# Altium PCB Stand.PcbDoc (part 1 of 3) (continued)
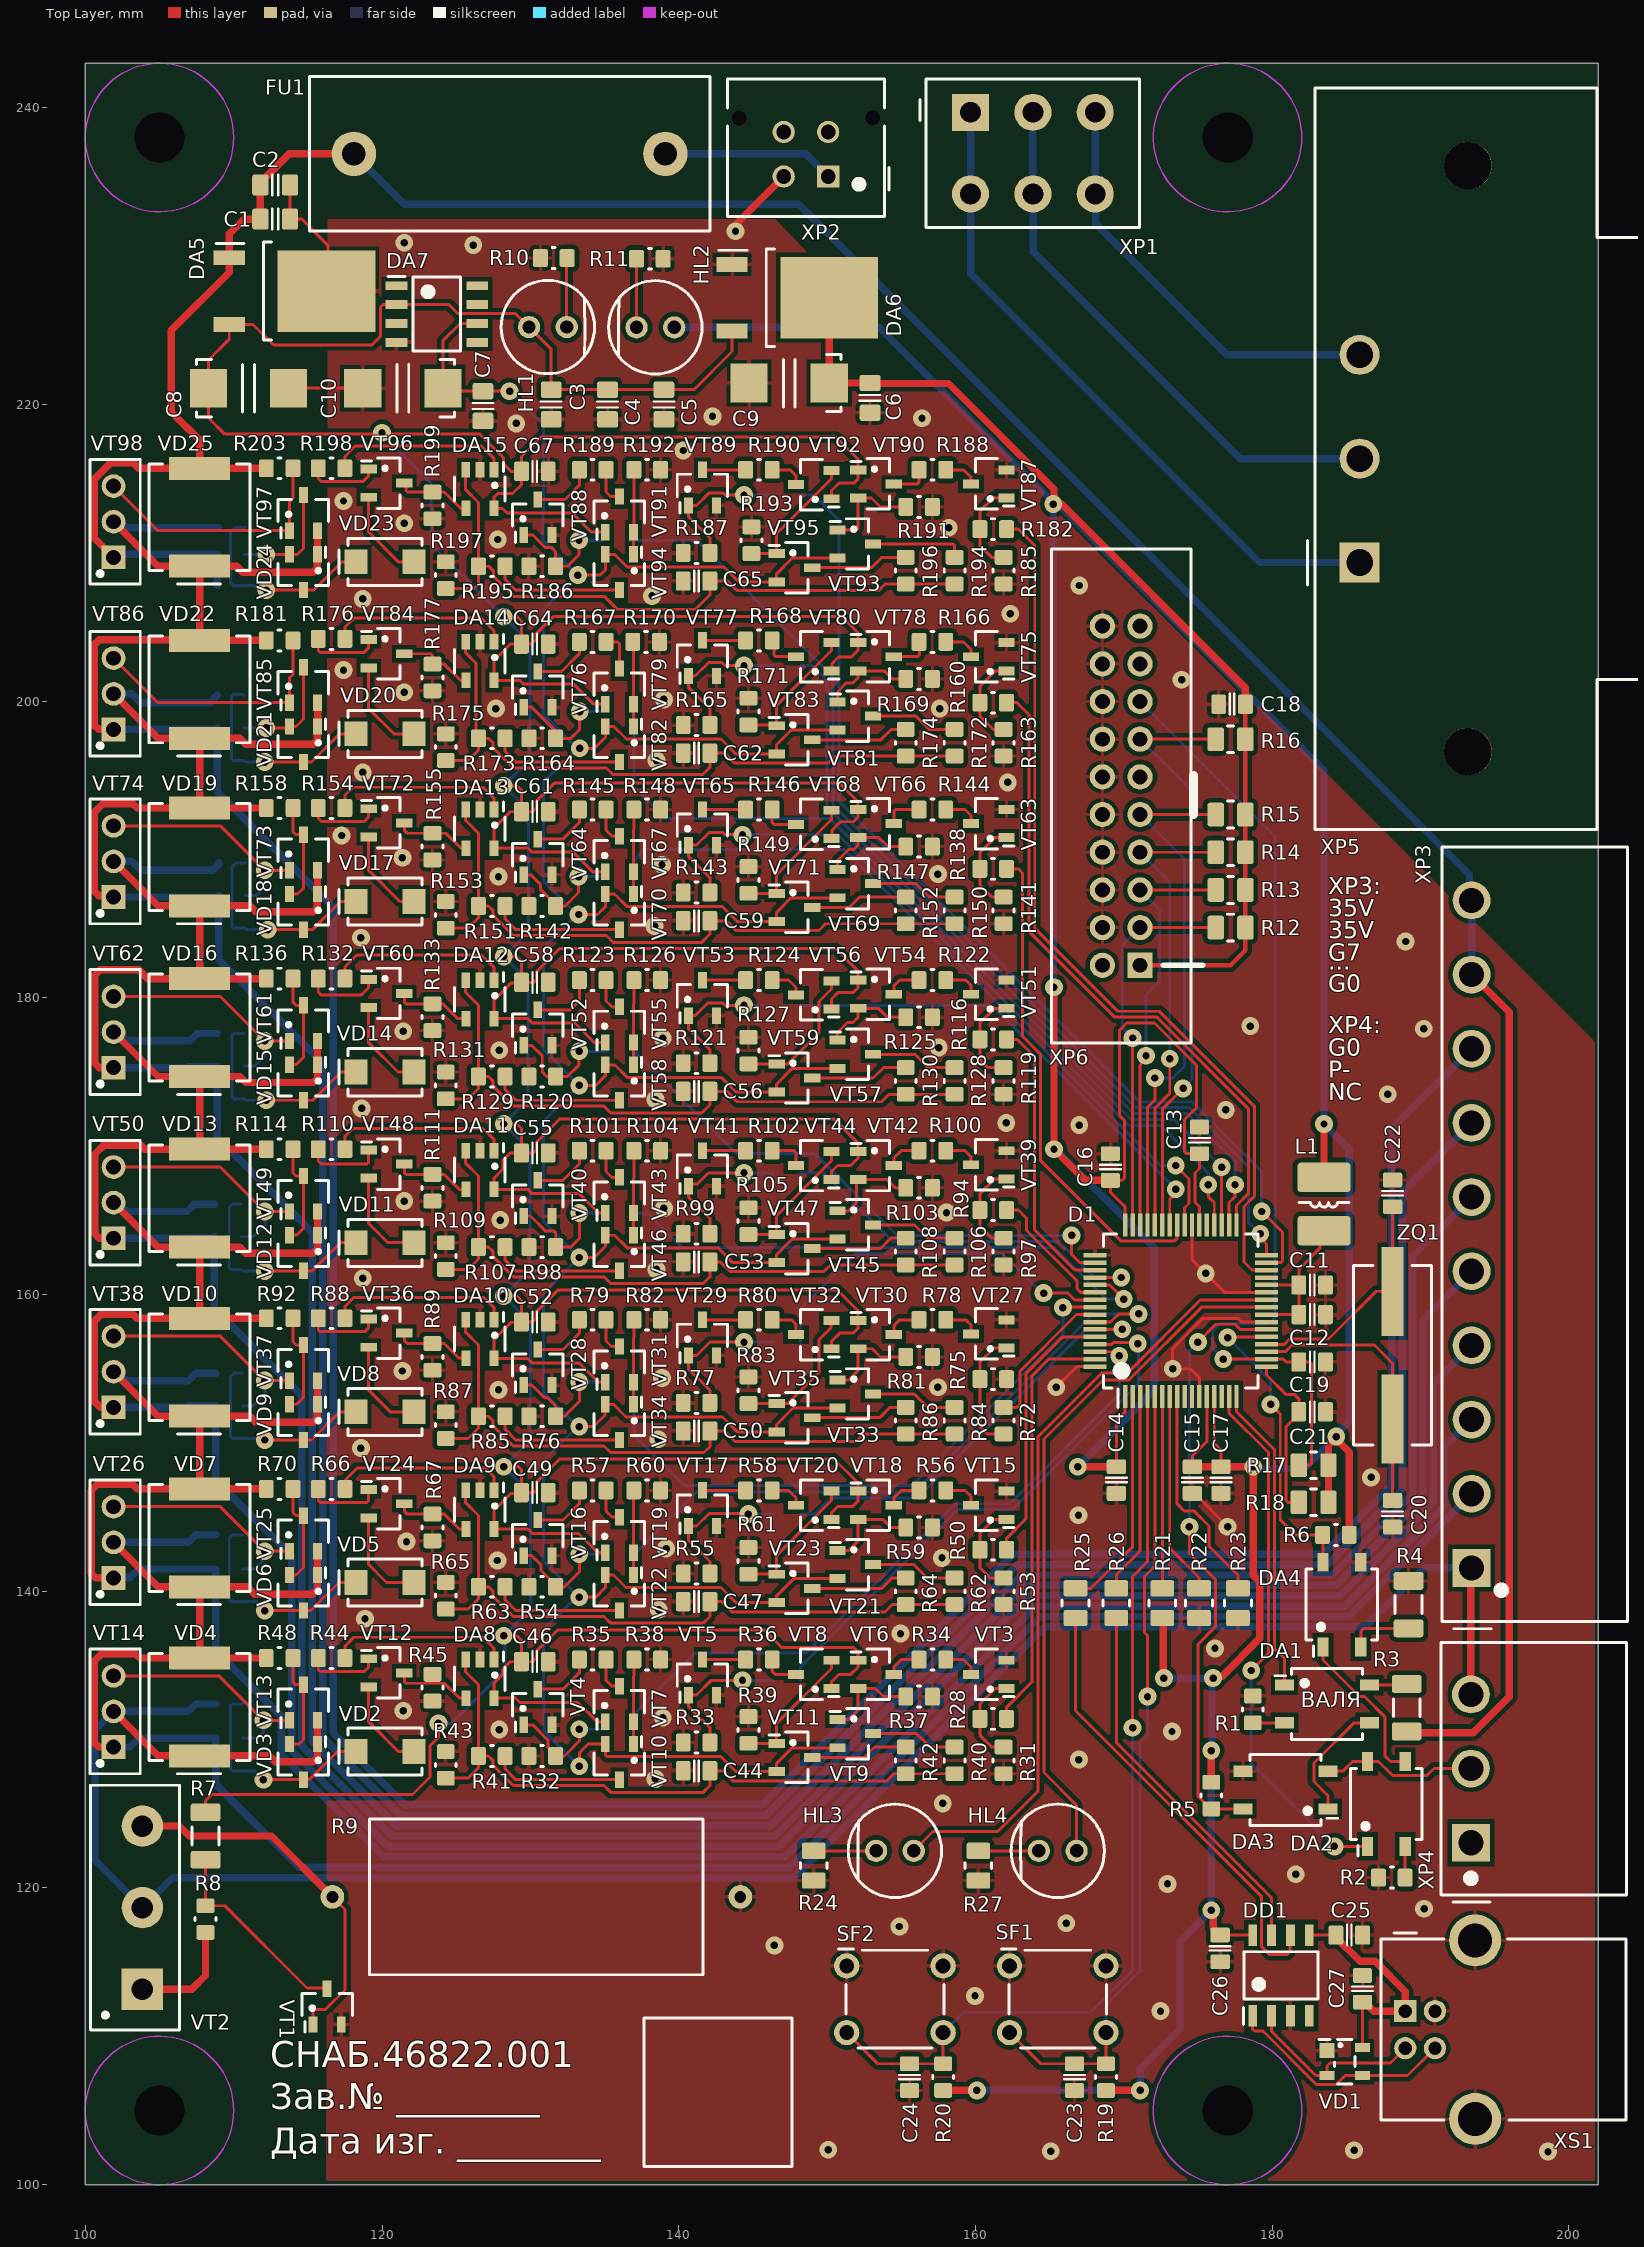
[diagram p0: Top Layer view]
## Components (designator, comment, footprint, x,y, rotation, side; value= is the part's Value field where it differs from the comment) (continued)
R42 "*" R0603 155.3,128.6 r270 top
R43 "1k" R0603 124.3,128.3 r270 top
R44 "100" R0603 116.6,135.5 r180 top
R45 "1k" R0603 123.4,133.5 r90 top
R46 "1k" R0603 109.7,127.9 r180 bottom
R47 "1k" R0603 109.7,132.4 r0 bottom
R48 "*" R0603 113.1,135.5 r180 top
R49 "*" R0603 109.7,130.1 r180 bottom
R50 "*" R0603 161.2,142.8 r180 top
R51 "*" R0603 136.1,142.5 r180 bottom
R52 "*" R0603 147.3,145.2 r180 bottom
R53 "*" R0603 161.9,140 r90 top
R54 "*" R0603 130.8,140.3 r0 top
R55 "*" R0603 141.2,141.2 r0 top
R56 "*" R0603 157.1,146.8 r180 top
R57 "*" R0603 134.2,146.8 r0 top
R58 "*" R0603 145.4,146.8 r0 top
R59 "*" R0603 156.2,144.3 r180 top
R60 "*" R0603 137.875,146.8 r180 top
R61 "*" R0603 144.7,142.05 r270 top
R62 "*" R0603 158.6,140 r270 top
R63 "*" R0603 127.4,140.3 r180 top
R64 "*" R0603 155.3,140 r270 top
R65 "1k" R0603 124.3,139.7 r270 top
R66 "100" R0603 116.6,146.9 r180 top
R67 "1k" R0603 123.4,144.3 r90 top
R68 "1k" R0603 109.7,139.3 r180 bottom
R69 "1k" R0603 109.7,143.8 r0 bottom
R70 "*" R0603 113.1,146.9 r180 top
R71 "*" R0603 109.7,141.5 r180 bottom
R72 "*" R0603 161.9,151.5 r270 top
R73 "*" R0603 136.1,154.1 r180 bottom
R74 "*" R0603 147.3,156.8 r180 bottom
R75 "*" R0603 161.2,154.3 r180 top
R76 "*" R0603 130.8,151.8 r0 top
R77 "*" R0603 141.2,152.7 r0 top
R78 "*" R0603 157.1,158.3 r180 top
R79 "*" R0603 134.2,158.3 r0 top
R80 "*" R0603 145.4,158.3 r0 top
R81 "*" R0603 156.2,155.8 r180 top
R82 "*" R0603 137.875,158.3 r180 top
R83 "*" R0603 144.7,153.55 r270 top
R84 "*" R0603 158.6,151.5 r270 top
R85 "*" R0603 127.4,151.8 r180 top
R86 "*" R0603 155.3,151.5 r270 top
R87 "1k" R0603 124.3,151.2 r270 top
R88 "100" R0603 116.6,158.4 r180 top
R89 "1k" R0603 123.4,155.8 r90 top
R90 "1k" R0603 109.7,150.3 r180 bottom
R91 "1k" R0603 109.7,154.7 r0 bottom
R92 "*" R0603 113.1,158.4 r180 top
R93 "*" R0603 109.7,152.5 r180 bottom
R94 "*" R0603 161.2,165.7 r180 top
R95 "*" R0603 136.1,165.5 r180 bottom
R96 "*" R0603 147.3,168.2 r180 bottom
R97 "*" R0603 161.9,162.9 r90 top
R98 "*" R0603 130.8,163.2 r0 top
R99 "*" R0603 141.2,164.1 r0 top
R100 "*" R0603 157.1,169.7 r180 top
R101 "*" R0603 134.2,169.7 r0 top
R102 "*" R0603 145.4,169.7 r0 top
R103 "*" R0603 156.2,167.2 r180 top
R104 "*" R0603 137.875,169.7 r180 top
R105 "*" R0603 144.7,164.95 r270 top
R106 "*" R0603 158.6,162.9 r270 top
R107 "*" R0603 127.4,163.2 r180 top
R108 "*" R0603 155.3,162.9 r270 top
R109 "1k" R0603 124.3,162.6 r270 top
R110 "100" R0603 116.6,169.8 r180 top
R111 "1k" R0603 123.4,167.2 r90 top
R112 "1k" R0603 109.6,161.7 r180 bottom
R113 "1k" R0603 109.6,166.1 r0 bottom
R114 "*" R0603 113.1,169.8 r180 top
R115 "*" R0603 109.6,163.9 r180 bottom
R116 "*" R0603 161.2,177.2 r180 top
R117 "*" R0603 136.1,176.4 r180 bottom
R118 "*" R0603 147.3,179.5 r180 bottom
R119 "*" R0603 161.9,174.4 r90 top
R120 "*" R0603 130.8,174.7 r0 top
R121 "*" R0603 141.2,175.6 r0 top
R122 "*" R0603 157.1,181.2 r180 top
R123 "*" R0603 134.2,181.2 r0 top
R124 "*" R0603 145.4,181.2 r0 top
R125 "*" R0603 156.2,178.7 r180 top
R126 "*" R0603 137.875,181.2 r180 top
R127 "*" R0603 144.7,176.45 r270 top
R128 "*" R0603 158.6,174.4 r270 top
R129 "*" R0603 127.4,174.7 r180 top
R130 "*" R0603 155.3,174.4 r270 top
R131 "1k" R0603 124.3,174.1 r270 top
R132 "100" R0603 116.6,181.3 r180 top
R133 "1k" R0603 123.4,178.7 r90 top
R134 "1k" R0603 109.8,173.2 r180 bottom
R135 "1k" R0603 109.8,177.6 r0 bottom
R136 "*" R0603 113.1,181.3 r180 top
R137 "*" R0603 109.8,175.4 r180 bottom
R138 "*" R0603 161.2,188.7 r180 top
R139 "*" R0603 136.1,188.175 r180 bottom
R140 "*" R0603 147.3,191 r180 bottom
R141 "*" R0603 161.9,185.9 r90 top
R142 "*" R0603 130.8,186.2 r0 top
R143 "*" R0603 141.2,187.1 r0 top
R144 "*" R0603 157.1,192.7 r180 top
R145 "*" R0603 134.2,192.7 r0 top
R146 "*" R0603 145.4,192.7 r0 top
R147 "*" R0603 156.2,190.2 r180 top
R148 "*" R0603 137.875,192.7 r180 top
R149 "*" R0603 144.7,187.95 r270 top
R150 "*" R0603 158.6,185.9 r270 top
R151 "*" R0603 127.4,186.2 r180 top
R152 "*" R0603 155.3,185.9 r270 top
R153 "1k" R0603 124.3,185.6 r270 top
R154 "100" R0603 116.6,192.8 r180 top
R155 "1k" R0603 123.4,190.2 r90 top
R156 "1k" R0603 109.9,184.7 r180 bottom
R157 "1k" R0603 109.9,189.1 r0 bottom
R158 "*" R0603 113.1,192.8 r180 top
R159 "*" R0603 109.9,186.9 r180 bottom
R160 "*" R0603 161.2,199.9 r180 top
R161 "*" R0603 136.1,199.3 r180 bottom
R162 "*" R0603 147.3,202.4 r180 bottom
R163 "*" R0603 161.9,197.2 r90 top
R164 "*" R0603 130.8,197.5 r0 top
R165 "*" R0603 141.2,198.4 r0 top
R166 "*" R0603 157.1,204 r180 top
R167 "*" R0603 134.2,204 r0 top
R168 "*" R0603 145.4,204.1 r0 top
R169 "*" R0603 156.2,201.5 r180 top
R170 "*" R0603 137.8,204 r180 top
R171 "*" R0603 144.7,199.3 r270 top
R172 "*" R0603 158.6,197.2 r270 top
R173 "*" R0603 127.4,197.5 r180 top
R174 "*" R0603 155.3,197.2 r270 top
R175 "1k" R0603 124.3,196.9 r270 top
R176 "100" R0603 116.6,204.2 r180 top
R177 "1k" R0603 123.4,201.6 r90 top
R178 "1k" R0603 109.8,196 r180 bottom
R179 "1k" R0603 109.8,200.4 r0 bottom
R180 "*" R0603 109.8,198.2 r180 bottom
R181 "*" R0603 113.1,204.1 r180 top
R182 "*" R0603 161.2,211.6 r180 top
R183 "*" R0603 135.775,210.85 r180 bottom
R184 "*" R0603 147.3,213.9 r180 bottom
R185 "*" R0603 161.9,208.8 r90 top
R186 "*" R0603 130.8,209.1 r0 top
R187 "*" R0603 141.2,210 r0 top
R188 "*" R0603 157.1,215.6 r180 top
R189 "*" R0603 134.2,215.6 r0 top
R190 "*" R0603 145.4,215.6 r0 top
R191 "*" R0603 156.2,213.1 r180 top
R192 "*" R0603 137.875,215.6 r180 top
R193 "*" R0603 144.9,210.85 r270 top
R194 "*" R0603 158.6,208.8 r270 top
R195 "*" R0603 127.4,209.1 r180 top
R196 "*" R0603 155.3,208.8 r270 top
R197 "1k" R0603 124.3,208.5 r270 top
R198 "100" R0603 116.6,215.7 r180 top
R199 "1k" R0603 123.4,213.2 r90 top
R200 "1k" R0603 109.8,207.8 r180 bottom
R201 "1k" R0603 109.9,211.7 r0 bottom
R202 "*" R0603 109.8,209.9 r180 bottom
R203 "*" R0603 113.1,215.7 r180 top
SF1 "0650HIM-130G-G" TC-0103 165.55,112.5 r0 top
SF2 "0650HIM-130G-G" TC-0103 154.575,112.5 r0 top
VD1 "PRTR5V0U2X" SOT-143 184.9,108.3 r0 top
VD2 "S1B" DO-214AC 120.2,129.2 r0 top
VD3 "TLV431B" SOT-23 114.7,128.5 r270 top
VD4 "SMCJ5.0A" DO-214AB 107.7,132.2 r90 top
VD5 "S1B" DO-214AC 120.2,140.6 r0 top
VD6 "TLV431B" SOT-23 114.7,139.9 r270 top
VD7 "SMCJ5.0A" DO-214AB 107.7,143.6 r90 top
VD8 "S1B" DO-214AC 120.2,152.1 r0 top
VD9 "TLV431B" SOT-23 114.7,151.4 r270 top
VD10 "SMCJ5.0A" DO-214AB 107.7,155.1 r90 top
VD11 "S1B" DO-214AC 120.2,163.5 r0 top
VD12 "TLV431B" SOT-23 114.7,162.8 r270 top
VD13 "SMCJ5.0A" DO-214AB 107.7,166.5 r90 top
VD14 "S1B" DO-214AC 120.2,175 r0 top
VD15 "TLV431B" SOT-23 114.7,174.3 r270 top
VD16 "SMCJ5.0A" DO-214AB 107.7,178 r90 top
VD17 "S1B" DO-214AC 120.2,186.5 r0 top
VD18 "TLV431B" SOT-23 114.7,185.8 r270 top
VD19 "SMCJ5.0A" DO-214AB 107.7,189.5 r90 top
VD20 "S1B" DO-214AC 120.2,197.8 r0 top
VD21 "TLV431B" SOT-23 114.7,197.1 r270 top
VD22 "SMCJ5.0A" DO-214AB 107.7,200.8 r90 top
VD23 "S1B" DO-214AC 120.2,209.4 r0 top
VD24 "TLV431B" SOT-23 114.7,208.7 r270 top
VD25 "SMCJ5.0A" DO-214AB 107.7,212.4 r90 top
VT1 "BC846B" SOT-23 116.3,112 r90 top
VT2 "IRFP4710PBF" TO-247AC 103.35,118.675 r90 top
VT3 "BC846B" SOT-23 160.9,134.4 r180 top
VT4 "BC846B" SOT-23 130.5,132.2 r90 top
VT5 "BC846B" SOT-23 141.6,134.2 r90 top
VT6 "BC856" SOT-23 153.3,134.4 r0 top
VT7 "BC856" SOT-23 136,132.4 r90 top
VT8 "BC856" SOT-23 149.1,134.4 r180 top
VT9 "AO3404A" SOT-23 151.9,130.4 r0 top
VT10 "AO3404A" SOT-23 136,128.5 r270 top
VT11 "AO3404A" SOT-23 147.8,128.8 r0 top
VT12 "2N7002" SOT-23 120.3,134.5 r0 top
VT13 "BC856" SOT-23 114.7,132.5 r90 top
VT14 "KT814Г" TO-126 102,131.9 r90 top
VT15 "BC846B" SOT-23 160.9,145.8 r180 top
VT16 "BC846B" SOT-23 130.5,143.6 r90 top
VT17 "BC846B" SOT-23 141.6,145.6 r90 top
VT18 "BC856" SOT-23 153.3,145.8 r0 top
VT19 "BC856" SOT-23 136,143.8 r90 top
VT20 "BC856" SOT-23 149.1,145.8 r180 top
VT21 "AO3404A" SOT-23 151.9,141.8 r0 top
VT22 "AO3404A" SOT-23 136,139.9 r270 top
VT23 "AO3404A" SOT-23 147.8,140.2 r0 top
VT24 "2N7002" SOT-23 120.3,145.9 r0 top
VT25 "BC856" SOT-23 114.7,143.9 r90 top
VT26 "KT814Г" TO-126 102,143.3 r90 top
VT27 "BC846B" SOT-23 160.9,157.35 r180 top
VT28 "BC846B" SOT-23 130.5,155.1 r90 top
VT29 "BC846B" SOT-23 141.6,157.1 r90 top
VT30 "BC856" SOT-23 153.3,157.3 r0 top
VT31 "BC856" SOT-23 136,155.3 r90 top
VT32 "BC856" SOT-23 149.1,157.3 r180 top
VT33 "AO3404A" SOT-23 151.9,153.3 r0 top
VT34 "AO3404A" SOT-23 136,151.4 r270 top
VT35 "AO3404A" SOT-23 147.8,151.7 r0 top
VT36 "2N7002" SOT-23 120.3,157.4 r0 top
VT37 "BC856" SOT-23 114.7,155.4 r90 top
VT38 "KT814Г" TO-126 102,154.8 r90 top
VT39 "BC846B" SOT-23 160.9,168.75 r180 top
VT40 "BC846B" SOT-23 130.5,166.5 r90 top
VT41 "BC846B" SOT-23 141.6,168.5 r90 top
VT42 "BC856" SOT-23 153.3,168.7 r0 top
VT43 "BC856" SOT-23 136,166.7 r90 top
VT44 "BC856" SOT-23 149.1,168.7 r180 top
VT45 "AO3404A" SOT-23 151.9,164.7 r0 top
VT46 "AO3404A" SOT-23 136,162.8 r270 top
VT47 "AO3404A" SOT-23 147.8,163.1 r0 top
VT48 "2N7002" SOT-23 120.3,168.8 r0 top
VT49 "BC856" SOT-23 114.7,166.8 r90 top
VT50 "KT814Г" TO-126 102,166.2 r90 top
VT51 "BC846B" SOT-23 160.9,180.25 r180 top
VT52 "BC846B" SOT-23 130.5,178 r90 top
VT53 "BC846B" SOT-23 141.6,180 r90 top
VT54 "BC856" SOT-23 153.3,180.25 r0 top
VT55 "BC856" SOT-23 136,178.2 r90 top
VT56 "BC856" SOT-23 149.1,180.2 r180 top
VT57 "AO3404A" SOT-23 151.9,176.2 r0 top
VT58 "AO3404A" SOT-23 136,174.3 r270 top
VT59 "AO3404A" SOT-23 147.8,174.6 r0 top
VT60 "2N7002" SOT-23 120.3,180.3 r0 top
VT61 "BC856" SOT-23 114.7,178.3 r90 top
VT62 "KT814Г" TO-126 102,177.7 r90 top
VT63 "BC846B" SOT-23 160.9,191.75 r180 top
VT64 "BC846B" SOT-23 130.5,189.5 r90 top
VT65 "BC846B" SOT-23 141.6,191.5 r90 top
VT66 "BC856" SOT-23 153.3,191.75 r0 top
VT67 "BC856" SOT-23 136,189.7 r90 top
VT68 "BC856" SOT-23 149.1,191.7 r180 top
VT69 "AO3404A" SOT-23 151.9,187.7 r0 top
VT70 "AO3404A" SOT-23 136,185.8 r270 top
VT71 "AO3404A" SOT-23 147.8,186.1 r0 top
VT72 "2N7002" SOT-23 120.3,191.8 r0 top
VT73 "BC856" SOT-23 114.7,189.8 r90 top
VT74 "KT814Г" TO-126 102,189.2 r90 top
VT75 "BC846B" SOT-23 160.9,203 r180 top
VT76 "BC846B" SOT-23 130.5,200.8 r90 top
VT77 "BC846B" SOT-23 141.6,202.9 r90 top
VT78 "BC856" SOT-23 153.3,203 r0 top
VT79 "BC856" SOT-23 136,201 r90 top
VT80 "BC856" SOT-23 149.1,203 r180 top
VT81 "AO3404A" SOT-23 151.9,199 r0 top
VT82 "AO3404A" SOT-23 136,197.1 r270 top
VT83 "AO3404A" SOT-23 147.8,197.4 r0 top
VT84 "2N7002" SOT-23 120.3,203.2 r0 top
VT85 "BC856" SOT-23 114.7,201.1 r90 top
VT86 "KT814Г" TO-126 102,200.5 r90 top
VT87 "BC846B" SOT-23 160.9,214.65 r180 top
VT88 "BC846B" SOT-23 130.5,212.4 r90 top
VT89 "BC846B" SOT-23 141.6,214.4 r90 top
VT90 "BC856" SOT-23 153.3,214.65 r0 top
VT91 "BC856" SOT-23 136,212.6 r90 top
VT92 "BC856" SOT-23 149.1,214.6 r180 top
VT93 "AO3404A" SOT-23 151.9,210.6 r0 top
VT94 "AO3404A" SOT-23 136,208.7 r270 top
VT95 "AO3404A" SOT-23 147.8,209 r0 top
VT96 "2N7002" SOT-23 120.3,214.7 r0 top
VT97 "BC856" SOT-23 114.7,212.7 r90 top
VT98 "KT814Г" TO-126 102,212.1 r90 top
XP1 "Mini-Fit" MF2x3MA 163.875,236.95 r180 top
XP2 "MicroFit" MF3-04MA 148.575,236.875 r0 top
XP3 "AC-023" IEC-C14 185.9,209.35 r90 top
XP4 "5EHDRC-03P" 5EHDRC-03P 193.4,123.05 r90 top
XP5 "5EHDRC-10P" 5EHDRC-10P 193.45,141.575 r90 top
XP6 "\"JTAG\"" IDC_20 169.83,193.62 r180 top
XS1 "USB Type B" "USB Type B" 189.98,110.45 r90 top
ZQ1 "QuartzRes" HC-49SM 188.125,155.925 r90 top

## Footprints (in the part's own frame and the unit in brackets; to place one, negate y for a bottom-side part, rotate by r counter-clockwise, add the part's x,y. Pads: shape width x height; smd on the part's side, far side on the other; paste and mask are expansions set on the pad)
5EHDRC-03P [mm] "5EHDRC-03P (1x3) 2.54pit 1mm hole [16.6x12.00]"
  rect 2.55x2.55 hole 1.7 unplated: 1(0,0)
  round 2.55 hole 1.7 unplated: 2(5,0) 3(10,0)
  silkscreen extent -4,-10.5 13.5,2, body extent -3.3,-10.25 13.3,1.75, height 12.47
5EHDRC-10P [mm] "5EHDRC-10P (1x10) 2.54pit 1mm hole [51,9x12.00]"
  rect 2.55x2.55 hole 1.7 unplated: 1(0,0)
  round 2.55 hole 1.7 unplated: 2(5,0) 3(10,0) 4(15,0) 5(20,0) 6(25,0) 7(30,0) 8(35,0) 9(40,0) 10(45,0)
  silkscreen extent -4.1,-10.5 48.6,2, body extent -3.3,-10.25 48.3,1.75, height 12.47
C0603 [mm] "Chip Capasitor (0603), 2-Leads, Body 1,63x0,85mm, IPC Medium Density"
  rrect25% 1x1.3 smd: 1(-0.9,0) 2(0.9,0)
  silkscreen extent -0.15,-0.7 0.15,0.7, body extent -0.9,-0.5 0.9,0.5, height 0.9
"C_tant 3(С-type)" [mm] "Чип-конденсатор корп.3 (С-type)"
  rect 2.5x2.6 smd: 1(-2.7,0) 2(2.7,0)
  silkscreen extent -3.5,-1.92 0.4,1.92
DO-214AB [mm] "2-Leads, Body 7,1x6,2mm"
  rect 1.55x4.1 smd: 1(-3.3,0) 2(3.3,0)
  silkscreen extent -4.5,-3.4 3.6,3.4, body extent -3.6,-3.1 3.6,3.1, height 2.65
DO-214AC [mm] "2-Leads, Body 5x2,7mm"
  rect 1.55x1.67 smd: 1(-1.965,0) 2(1.965,0)
  silkscreen extent -3.1,-1.6 2.5,1.58, body extent -2.5,-1.35 2.5,1.35, height 2.2
DPAK [mm] "DPAK (TO-252)"
  rect 1x2.1 smd: 1(-2.25,-4.4) 3(2.25,-4.4)
  rect 5.5x6.6 smd: 4(0,2.15)
  silkscreen extent -3.3,-5.3 3.3,-1.55, body extent -3.3,-2.1 3.3,4.1, height 2.4
FH-101C [mm] "FH-101C 5x20 fuse holder"
  round 3 hole 1.6: 1(-10.5,0) 2(10.5,0)
  silkscreen extent -13.5,-5.2 13.5,5.2, body extent -13.2,-5 13.2,5, height 14
HC-49SM [mm] "SMD Metal-can Type CRYSTAL"
  rect 6x1.5 smd: 1(-4.3,0) 2(4.3,0)
  silkscreen extent -6.05,-2.63 6.05,2.63, body extent -6.4,-2.4 6.4,2.4, height 4.3
IDC_20 [mm] "IDC_20 (2x10) 2.54pit 1mm hole [33.0x9.1]"
  rect 1.7x1.7 hole 1: 1(-1.27,11.42)
  round 1.7 hole 1: 2(1.27,11.42) 3(-1.27,8.88) 4(1.27,8.88) 5(-1.27,6.34) 6(1.27,6.34) 7(-1.27,3.8) 8(1.27,3.8) 9(-1.27,1.26) 10(1.27,1.26) 11(-1.27,-1.28) 12(1.27,-1.28) 13(-1.27,-3.82) 14(1.27,-3.82) 15(-1.27,-6.36) 16(1.27,-6.36) 17(-1.27,-8.9) 18(1.27,-8.9) 19(-1.27,-11.44) 20(1.27,-11.44)
  silkscreen extent -5.47,-16.66 4.7,16.65
IEC-C14 [mm] "IEC С14"
  rect 2.7x2.7 hole 1.8: 1(0,0)
  round 2.7 hole 1.8: 2(7,0) 3(14,0)
  round 3.2 hole 3.2 unplated: ""(-12.75,-7.3) ""(26.75,-7.3)
  silkscreen extent -18,-19 32,3.5, body extent -18.05,-19 32.05,8.8, height 27.3
"LED 5mm (L-7113IT)" [mm] "L-7113IT, body 59x356mm"
  round 1.5 hole 0.9: 1(-1.27,0) 2(1.27,0)
  silkscreen extent -3.15,-3.15 3.15,3.15, body extent -2.95,-2.95 2.95,2.95, height 35.1
LQFP64 [mm] "TSQFP, 64-Leads, Body 10,00x10,00mm, Pitch 0,50mm, IPC Medium Density"
  rect 1.55x0.3 smd mask+0.05: 1(-5.775,3.75) 2(-5.775,3.25) 3(-5.775,2.75) 4(-5.775,2.25) 5(-5.775,1.75) 6(-5.775,1.25) 7(-5.775,0.75) 8(-5.775,0.25) 9(-5.775,-0.25) 10(-5.775,-0.75) 11(-5.775,-1.25) 12(-5.775,-1.75) 13(-5.775,-2.25) 14(-5.775,-2.75) 15(-5.775,-3.25) 16(-5.775,-3.75) 33(5.775,-3.75) 34(5.775,-3.25) 35(5.775,-2.75) 36(5.775,-2.25) 37(5.775,-1.75) 38(5.775,-1.25) 39(5.775,-0.75) 40(5.775,-0.25) 41(5.775,0.25) 42(5.775,0.75) 43(5.775,1.25) 44(5.775,1.75) 45(5.775,2.25) 46(5.775,2.75) 47(5.775,3.25) 48(5.775,3.75)
  rect 0.3x1.55 smd mask+0.05: 17(-3.75,-5.775) 18(-3.25,-5.775) 19(-2.75,-5.775) 20(-2.25,-5.775) 21(-1.75,-5.775) 22(-1.25,-5.775) 23(-0.75,-5.775) 24(-0.25,-5.775) 25(0.25,-5.775) 26(0.75,-5.775) 27(1.25,-5.775) 28(1.75,-5.775) 29(2.25,-5.775) 30(2.75,-5.775) 31(3.25,-5.775) 32(3.75,-5.775) 49(3.75,5.775) 50(3.25,5.775) 51(2.75,5.775) 52(2.25,5.775) 53(1.75,5.775) 54(1.25,5.775) 55(0.75,5.775) 56(0.25,5.775) 57(-0.25,5.775) 58(-0.75,5.775) 59(-1.25,5.775) 60(-1.75,5.775) 61(-2.25,5.775) 62(-2.75,5.775) 63(-3.25,5.775) 64(-3.75,5.775)
  silkscreen extent -6.5,-5.2 5.2,5.2, body extent -6,-6 6,6, height 1.95
"LQH43M (1812)" [mm] "SMD inductor"
  rrect25% 2x3.6 smd: 1(-1.8,0) 2(1.8,0)
  silkscreen extent -0.2,-1.7 0.1,1.7, body extent -2.5,-1.7 2.4,1.7, height 2.8
MF2x3MA [mm] "Mini-Fit 4,2mm A Male 6 pin"
  rect 2.5x2.5 hole 1.4 unplated: 1(4.2,-2.75)
  round 2.5 hole 1.4 unplated: 2(0,-2.75) 3(-4.2,-2.75) 4(4.2,2.75) 5(0,2.75) 6(-4.2,2.75)
  silkscreen extent -7.2,-5 7.6,5, body extent -6.95,-4.8 6.95,4.8, height 12.9
MF3-04MA [mm] "Micro-Fit 3.0 43045-0412 4pin"
  round 0 hole 1 unplated: 0(4.5,2.45) 1(-4.5,2.45)
  rect 1.5x1.5 hole 1: 1(1.5,-1.5)
  round 1.5 hole 1: 2(-1.5,-1.5) 3(1.5,1.5) 4(-1.5,1.5)
  silkscreen extent -5.3,-4.2 5.6,5.09, body extent -5.08,-3.97 5.07,4.8, height 9.91
R0603 [mm] "Chip Resistor (0603), 2-Leads, Body 1,6x0,85mm, IPC Medium Density"
  rrect25% 1x1.2 smd: 1(-0.9,0) 2(0.9,0)
  silkscreen extent -0.1,-0.7 0.1,0.7, body extent -0.9,-0.5 0.9,0.5, height 0.45
R0805 [mm] "Chip Resistor (0805), 2-Leads, Body 2,1x1,3mm, IPC Medium Density"
  rrect25% 1.1x1.6 smd: 1(-1,0) 2(1,0)
  silkscreen extent -0.2,-0.9 0.2,0.9, body extent -1.1,-0.7 1.1,0.7, height 0.5
R1206 [mm] "Chip Resistor (1206), 2-Leads, Body 3,1x1,6mm, IPC Medium Density"
  rrect25% 1.2x2 smd: 1(-1.6,0) 2(1.6,0)
  silkscreen extent -0.6,-0.9 0.6,0.9, body extent -1.7,-0.9 1.7,0.9, height 0.55
SOP-4 [mm]
  rect 1.27x0.76 smd: 1(-2.86,1.27) 2(-2.86,-1.27) 3(2.86,-1.27) 4(2.86,1.27)
  silkscreen extent -3.5,-2.4 2.4,2.4, body extent -2.2,-2.15 2.2,2.15, height 2.1
"SOP-8 (SOIC)" [mm] "8-Lead Standard Small Outline Package"
  rect 1.45x0.6 smd: 1(-2.725,1.905) 2(-2.725,0.635) 3(-2.725,-0.635) 4(-2.725,-1.905) 5(2.725,-1.905) 6(2.725,-0.635) 7(2.725,0.635) 8(2.725,1.905)
  silkscreen extent -3.3,-2.5 1.6,2.54, body extent -2,-2.5 2,2.5, height 1.75
SOT-23 [mm] "3-Leads, Body 2,90x2,30mm, Pitch 0,95mm, IPC Medium Density"
  rect 1.1x0.6 smd: 1(-1.2,0.95) 2(-1.2,-0.95) 3(1.2,0)
  silkscreen extent -1.7,-1.7 0.9,1.7, body extent -1.4,-1.5 1.4,1.5, height 1.12
SOT-23-5 [mm] "5-Leads, Body 3,00x1,70mm, Pitch 0,95mm"
  rect 1.05x0.6 smd: 1(-1.3,0.96) 2(-1.3,0) 3(-1.3,-0.96) 4(1.3,-0.95) 5(1.3,0.95)
  silkscreen extent -1.8,-1.7 0.8,1.7, body extent -1.55,-1.5 1.55,1.5, height 1.35
SOT-143 [mm] "4-Leads, Body 2,9x1,3mm"
  rect 1x1 smd: 1(-1.2,0.75)
  rect 1x0.6 smd: 2(-1.2,-0.95) 3(1.2,-0.95) 4(1.2,0.95)
  silkscreen extent -1.75,-1.5 0.7,1.5, body extent -1.18,-1.52 1.18,1.52, height 1.2
"SQP 5W" [mm] "Body 10x22mm"
  round 1.6 hole 0.8 unplated: 1(-13.75,0) 2(13.75,0)
  silkscreen extent -11.25,-5.25 11.25,5.25
TC-0103 [mm]
  round 1.7 hole 1 unplated: 1(-3.25,2.25) 2(-3.25,-2.25) 3(3.25,-2.25) 4(3.25,2.25)
  silkscreen extent -3.8,-3.3 3.3,3.4, body extent -3.91,-3 3.91,3, height 17.1
TO-126 [mm]
  rect 1.6x1.6 hole 1 unplated: 1(-2.4,0.1)
  round 1.6 hole 1 unplated: 2(0,0.1) 3(2.4,0.1)
  silkscreen extent -4.2,-1.7 4.2,1.7, body extent -3.9,-1.4 3.9,1.4, height 11.1
TO-247AC [mm]
  rect 2.8x2.8 hole 1.45 unplated: 1(-5.5,-0.5)
  round 2.8 hole 1.45 unplated: 2(0,-0.5) 3(5.5,-0.5)
  silkscreen extent -8.25,-3 8.25,3, body extent -7.95,-2.65 7.95,2.65, height 24.6
"USB Type B" [mm] "USBB-1J (DS1099-W)"
  rect 1.5x1.5 hole 0.9: 1(1.25,1)
  round 1.5 hole 0.9: 2(-1.25,1) 3(-1.25,-1) 4(1.25,-1)
  round 3.5 hole 2.3: 5(-6.02,-3.71) 6(6.02,-3.71)
  silkscreen extent -6.1,-13.87 6.5,2.63, body extent -6.1,-13.87 6.1,2.63, height 10.55
С0805 [mm] "Chip Capacitor (0805), 2-Leads, Body 2,0x1,25mm, IPC Medium Density"
  rrect25% 1.1x1.4 smd: 1(-1,0) 2(1,0)
  silkscreen extent -0.2,-0.7 0.2,0.7, body extent -1.1,-0.7 1.1,0.7, height 1.3

## Part data
C1 C2 C3 C4 C5 C6 C7 C11 C12 C13 C14 C15 C16 C17 C18 C19 C20 C21 C22 C23 C24 C25 C26 C27 C28 C29 C30 C31 C32 C33 C34 C35 C36 C37 C38 C39 C40 C41 C42 C43 C44 C45 C46 C47 C48 C49 C50 C51 C52 C53 C54 C55 C56 C57 C58 C59 C60 C61 C62 C63 C64 C65 C66 C67: library part "Chip Capasitor", "Чип-конденсатор"
C8 C9 C10: library part "К53-67 (3/C)", "Чип конденсатор (3/C) тант.", Case="C_tant 3(С-type)", Manufacturer="АО \"НИИ \"ГИРИКОНД\"", Name="К53-67 (3/C)", TU=АЖЯР.673546.006
D1: library part К1986ВЕ92QI(C)_2parts(LQFP64), "32бит микроконтроллер CortexM3", Case="LQFP64, пласт.", Manufacturer="АО «ПКК Миландр»", Name=К1986ВЕ92Q, TU=ТСКЯ.431296.021СП
DA1 DA2 DA3 DA4: "Реле твердотельное с оптической развязкой", Case=SOP-4, Manufacturer="ОАО «Протон»", Datasheet=https://static.chipdip.ru/lib/271/DOC000271061.pdf, Name=PRAB30S
DA5: "Стабилизатор напряжения, 12В", Case="DPAK (TO-252)", Manufacturer="UTD Semiconductor Co.,Ltd", Datasheet=https://static.chipdip.ru/lib/619/DOC025619012.pdf, Name=78D12L
DA6: library part LD1117DT33TR, "LDO-регулятор напряжения, 3.3В", Case=DPAK, Manufacturer=STMicroelectronics, Datasheet=https://static.chipdip.ru/lib/677/DOC011677089.pdf, Name=LD1117DT33TR
DA7: library part REF193, "Источник опорного напряжения, 3В", Case=SOP-8, Manufacturer="Analog Devices", Datasheet=https://static.chipdip.ru/lib/039/DOC012039028.pdf, Name=REF193GSZ-REEL
DA8 DA9 DA10 DA11 DA12 DA13 DA14 DA15: "1х Операционный усилитель", Case=SOT-23-5, Manufacurer=STMicroelectronics, Datasheet=https://static.chipdip.ru/lib/710/DOC011710227.pdf, Name=TS321ILT
DD1: "Преобразователь интерфейса USB в UART", Case=SOP-8, Manufacturer="Nanjing Qinheng Microelectronics", Datasheet=https://static.chipdip.ru/lib/375/DOC030375417.pdf, Name=CH340N
FU1: "Fuse holder 5x20mm", Manufacturer="Dragon City Industries", Case=FH-101C, Datasheet=https://static.chipdip.ru/lib/550/DOC014550336.pdf, Name=FH-101C
HL1 HL2 HL3 HL4: "Светодиод, d=5мм", Case=GNL-5012, Manufacturer="G-nor Electronics", Datasheet=https://static.chipdip.ru/lib/773/DOC002773608.pdf, Name=GNL-5012
L1: "Чип-индуктивность 95мА, 330мкГн 10%", Case="LQH43M (1812)", Manufacturer="Murata Electronics", Datasheet=https://static.chipdip.ru/lib/442/DOC012442357.pdf, Name=LQH43MN331K, TU=JELF243A-0043P-01
R1 R2 R3 R4 R5 R6 R7 R8 R10 R11 R12 R13 R14 R15 R16 R17 R18 R19 R20 R21 R22 R23 R24 R25 R26 R27 R28 R29 R30 R31 R32 R33 R34 R35 R36 R37 R38 R39 R40 R41 R42 R43 R44 R45 R46 R47 R48 R49 R50 R51 R52 R53 R54 R55 R56 R57 R58 R59 R60 R61 R62 R63 R64 R65 R66 R67 R68 R69 R70 R71 R72 R73 R74 R75 R76 R77 R78 R79 R80 R81 R82 R83 R84 R85 R86 R87 R88 R89 R90 R91 R92 R93 R94 R95 R96 R97 R98 R99 R100 R101 R102 R103 R104 R105 R106 R107 R108 R109 R110 R111 R112 R113 R114 R115 R116 R117 R118 R119 R120 R121 R122 R123 R124 R125 R126 R127 R128 R129 R130 R131 R132 R133 R134 R135 R136 R137 R138 R139 R140 R141 R142 R143 R144 R145 R146 R147 R148 R149 R150 R151 R152 R153 R154 R155 R156 R157 R158 R159 R160 R161 R162 R163 R164 R165 R166 R167 R168 R169 R170 R171 R172 R173 R174 R175 R176 R177 R178 R179 R180 R181 R182 R183 R184 R185 R186 R187 R188 R189 R190 R191 R192 R193 R194 R195 R196 R197 R198 R199 R200 R201 R202 R203: library part "Chip Resistor", "Чип-резистор"
R9: library part Resistor, "Резистор"
SF1 SF2: "Кнопка тактовая, h=5мм", Case=TC-0103, Manufacturer="Switronic Industrial", Datasheet=https://static.chipdip.ru/lib/154/DOC001154468.pdf, Name=0650HIM-130G-G
VD1: "Защитная диодная сборка от статического заряда", Case=SOT-143, Manufacturer="UTD Semiconductor (UMW)", Datasheet=https://static.chipdip.ru/lib/303/DOC021303242.pdf, Name=PRTR5V0U2X
VD2 VD5 VD8 VD11 VD14 VD17 VD20 VD23: "Диод выпрямительный, 100В", Case=DO-214AC, Manufacturer="Diotec Semiconductor", Datasheet=https://static.chipdip.ru/lib/113/DOC032113174.pdf, Name=S1B
VD3 VD6 VD9 VD12 VD15 VD18 VD21 VD24: "Стабилитрон регулируемый, 6В", Case=SOT-23, Manufacturer="Texas Instruments", Datasheet=https://static.chipdip.ru/lib/985/DOC012985043.pdf, Name=TLV431B
VD4 VD7 VD10 VD13 VD16 VD19 VD22 VD25: "Защитный диод, 5В", Case=DO-201, Manufacturer="UTD Semiconductor Co.,Ltd", Datasheet=https://static.chipdip.ru/lib/863/DOC025863760.pdf, Name=SMCJ5.0A
VT1 VT3 VT4 VT5 VT15 VT16 VT17 VT27 VT28 VT29 VT39 VT40 VT41 VT51 VT52 VT53 VT63 VT64 VT65 VT75 VT76 VT77 VT87 VT88 VT89: "Транзистор биполярный NPN, 65В", Case=SOT-23, Manufacturer="Nexperia B.V.", Datasheet=https://static.chipdip.ru/lib/551/DOC012551042.pdf, Name=BC846B
VT2: "Транзистор MOSFET N-канал, 100В", Case=TO-247AC, Manufacturer="INFINEON TECHNOLOGIES AG.", Datasheet=https://static.chipdip.ru/lib/205/DOC000205410.pdf, Name=IRFP4710PBF
VT6 VT7 VT8 VT13 VT18 VT19 VT20 VT25 VT30 VT31 VT32 VT37 VT42 VT43 VT44 VT49 VT54 VT55 VT56 VT61 VT66 VT67 VT68 VT73 VT78 VT79 VT80 VT85 VT90 VT91 VT92 VT97: "Транзистор биполярный PNP, 65В", Case=SOT-23, Manufacturer=Nexperia, Datasheet=https://static.chipdip.ru/lib/365/DOC004365998.pdf, Name=BC856
VT9 VT10 VT11 VT21 VT22 VT23 VT33 VT34 VT35 VT45 VT46 VT47 VT57 VT58 VT59 VT69 VT70 VT71 VT81 VT82 VT83 VT93 VT94 VT95: "Транзистор MOSFET N-канал, 30В", Case=SOT-23, Manufacturer="UTD Semiconductor Co.,Ltd", Datasheet=https://static.chipdip.ru/lib/906/DOC012906979.pdf, Name=AO3404A
VT12 VT24 VT36 VT48 VT60 VT72 VT84 VT96: "Транзистор MOSFET N-канал, 60В", Case=SOT-23, Manufacturer="UTD Semiconductor Co.", Datasheet=https://static.chipdip.ru/lib/301/DOC021301072.pdf, Name=2N7002
VT14 VT26 VT38 VT50 VT62 VT74 VT86 VT98: "Транзистор биполярный PNP, 100В", Case=TO-126, Manufacturer="АО «ГРУППА КРЕМНИЙ ЭЛ»", Datasheet=https://static.chipdip.ru/lib/404/DOC047404057.pdf, Name=KT814Г, TU="аАО.336.184 ТУ/02"
XP1: library part MF2x3MA, "Mini-Fit 4,2mm A Male 6 pin", Manufacturer="Connfly Electronic Co.", Case=MF2x3MA, Name=DS1073-01-2x3-MVT6, P1=L, P2=PE, P3=N, P4=L, P5=PE, P6=N
XP2: library part 43045-0412, "MicroFit 3mm RA Male 4 pin", Case=MF3-04MA, Manufacturer="Molex Incorporated", Name=43045-0412, P1=+35V, P2=-35V
XP3: "Разъём питания AC, одинарный", Manufacturer=RUICHI, Name=AC-023
XP4: "Клеммник 3 конт. \"вилка\" шаг 5.00 мм", Manufacturer="Dinkle Enterprise", Datasheet=https://static.chipdip.ru/lib/008/DOC004008828.pdf, Name=5EHDRC-03P, P2=P-, P3=AB-
XP5: "Клеммник 10 конт. \"вилка\" шаг 5.00 мм", Manufacturer="Dinkle Enterprise", Datasheet=https://www.lcsc.com/datasheet/lcsc_datasheet_2311281934_Dinkle-5EHDR-10P_C5515183.pdf, Name=5EHDRC-10P, P1=G0, P2=G1, P3=G2, P4=G3, P5=G4, P6=G5, P7=G6, P8=G7, P9=G8, P10=AB+
XP6: library part "JTAG_20 L", "J-TAG Connector", Name=JTAG_20
XS1: "Гнездо USB тип B", Case="USBB-1J (DS1099-W)", Manufacturer="Connfly electronic (Zhenqin)", Datasheet=https://static.chipdip.ru/lib/252/DOC051252493.pdf
ZQ1: "Кварцевый резонатор, 8 МГц", Case=HC-49SM, Manufacturer=SJK, Datasheet=https://static.chipdip.ru/lib/086/DOC053086711.pdf, Name=QuartzRes

## Free pads (board coordinates)
  round 0 hole 3.4 unplated: 0(105,105) 0(105,238) 0(177,105) 0(177,238)

## Via types
v1: diameter 1.2, hole 0.5, Top Layer to Bottom Layer, tented top, 93 vias
v2: diameter 1.2, hole 0.5, Top Layer to Bottom Layer, tented both sides, 89 vias